# KiCad board Leopold Replacement.kicad_pcb (continued)
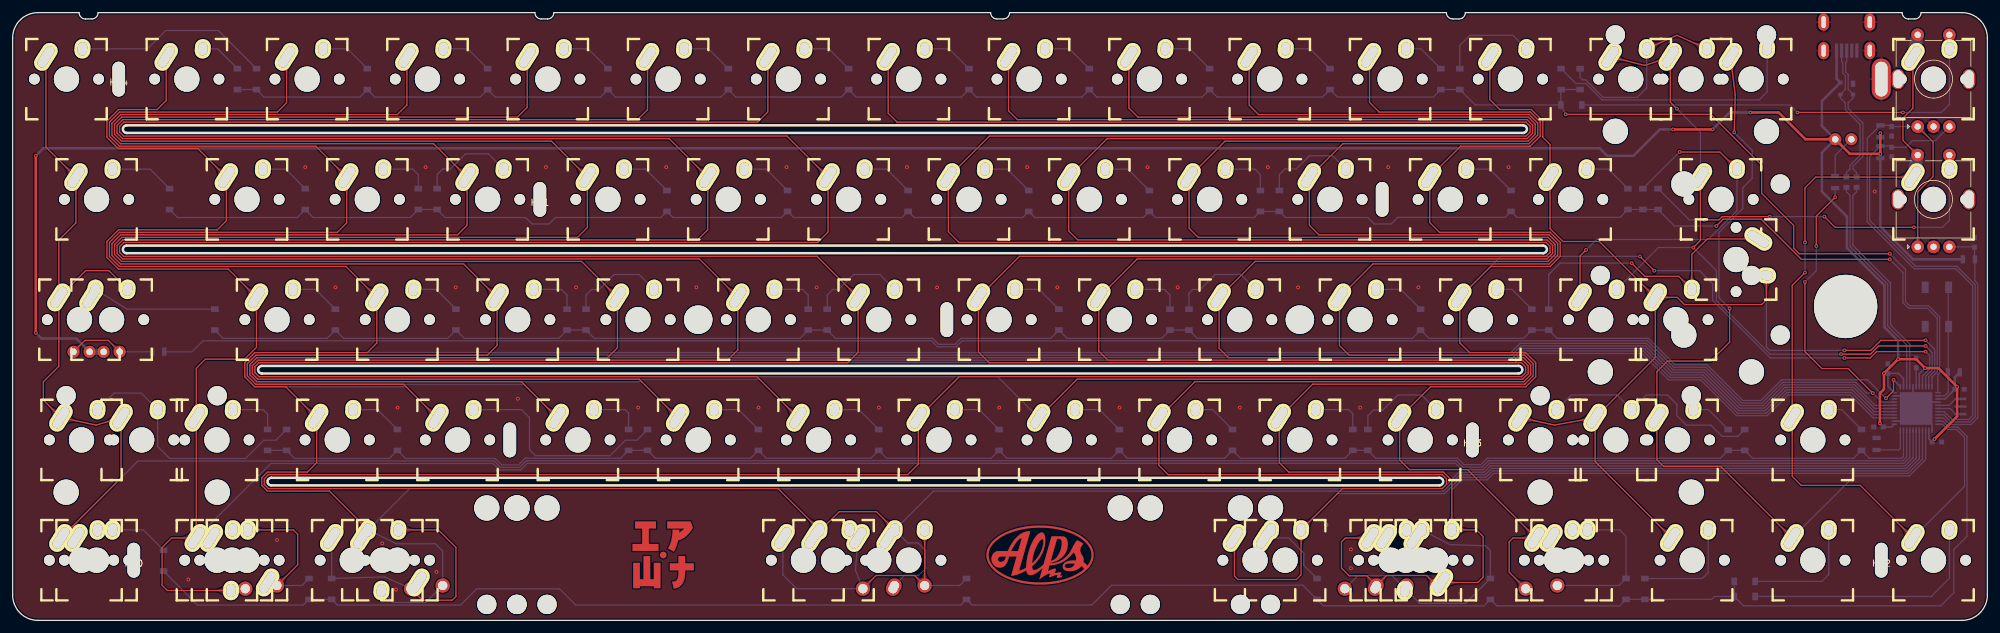
[diagram p0: board, top side]
## Copper pours and planes (outline as drawn; the poured copper is in the pictures) (continued)
Col0 on Top: 9.19,53.08 9.14,53.03 9.08,52.98 9.03,52.93 8.97,52.88 8.92,52.84 8.86,52.79 8.8,52.75 8.75,52.71 8.69,52.67 8.63,52.64 8.57,52.6 8.51,52.57 8.45,52.54 8.39,52.51 8.32,52.49 8.26,52.46 8.2,52.44 8.13,52.42 8.07,52.4 8,52.38 7.94,52.36 7.87,52.35 7.8,52.33 7.73,52.32 7.66,52.31 7.6,52.31 7.53,52.3 7.45,52.3 7.38,52.3 7.31,52.3 6.86,50.6 8.55,51.06 8.55,51.13 8.55,51.2 8.55,51.27 8.56,51.34 8.57,51.41 8.58,51.48 8.59,51.55 8.6,51.62 8.61,51.68 8.63,51.75 8.65,51.81 8.67,51.88 8.69,51.94 8.71,52.01 8.74,52.07 8.77,52.13 8.8,52.19 8.83,52.26 8.86,52.32 8.89,52.38 8.93,52.43 8.97,52.49 9.01,52.55 9.05,52.61 9.09,52.66 9.13,52.72 9.18,52.78 9.23,52.83 9.28,52.88 9.33,52.94
Col0 on Top: 7.2,53.82 7.2,53.75 7.2,53.67 7.19,53.6 7.18,53.53 7.18,53.46 7.17,53.39 7.16,53.32 7.14,53.25 7.13,53.18 7.11,53.11 7.09,53.05 7.07,52.98 7.05,52.92 7.03,52.85 7,52.79 6.98,52.73 6.95,52.66 6.92,52.6 6.89,52.54 6.85,52.48 6.82,52.43 6.78,52.37 6.74,52.31 6.7,52.26 6.66,52.2 6.62,52.15 6.57,52.09 6.52,52.04 6.47,51.99 6.42,51.94 7.3,50.42 8.17,51.94 8.12,51.99 8.07,52.04 8.03,52.09 7.98,52.15 7.94,52.2 7.89,52.26 7.85,52.31 7.82,52.37 7.78,52.43 7.74,52.48 7.71,52.54 7.68,52.6 7.65,52.66 7.62,52.73 7.59,52.79 7.57,52.85 7.54,52.92 7.52,52.98 7.5,53.05 7.48,53.11 7.47,53.18 7.45,53.25 7.44,53.32 7.43,53.39 7.42,53.46 7.41,53.53 7.41,53.6 7.4,53.67 7.4,53.75 7.4,53.82
Col0 on Top: 10.1,67.28 10.1,67.35 10.11,67.43 10.11,67.5 10.12,67.57 10.12,67.64 10.13,67.71 10.14,67.78 10.16,67.85 10.17,67.92 10.19,67.99 10.21,68.05 10.23,68.12 10.25,68.18 10.27,68.25 10.3,68.31 10.32,68.37 10.35,68.44 10.38,68.5 10.41,68.56 10.45,68.62 10.48,68.67 10.52,68.73 10.56,68.79 10.6,68.84 10.64,68.9 10.68,68.95 10.73,69.01 10.78,69.06 10.83,69.11 10.88,69.16 10,70.68 9.13,69.16 9.18,69.11 9.23,69.06 9.27,69.01 9.32,68.95 9.36,68.9 9.41,68.84 9.45,68.79 9.49,68.73 9.52,68.67 9.56,68.62 9.59,68.56 9.62,68.5 9.65,68.44 9.68,68.37 9.71,68.31 9.73,68.25 9.76,68.18 9.78,68.12 9.8,68.05 9.82,67.99 9.83,67.92 9.85,67.85 9.86,67.78 9.87,67.71 9.88,67.64 9.89,67.57 9.89,67.5 9.9,67.43 9.9,67.35 9.9,67.28
Col0 on Top: 5.35,86.29 5.35,86.36 5.35,86.44 5.36,86.51 5.36,86.58 5.37,86.65 5.38,86.72 5.39,86.79 5.41,86.86 5.42,86.93 5.44,87 5.45,87.06 5.47,87.13 5.5,87.19 5.52,87.26 5.54,87.32 5.57,87.38 5.6,87.45 5.63,87.51 5.66,87.57 5.69,87.63 5.73,87.68 5.77,87.74 5.81,87.8 5.85,87.85 5.89,87.91 5.93,87.96 5.98,88.02 6.03,88.07 6.07,88.12 6.12,88.17 5.25,89.69 4.38,88.17 4.43,88.12 4.47,88.07 4.52,88.02 4.57,87.96 4.61,87.91 4.65,87.85 4.69,87.8 4.73,87.74 4.77,87.68 4.81,87.63 4.84,87.57 4.87,87.51 4.9,87.45 4.93,87.38 4.96,87.32 4.98,87.26 5,87.19 5.03,87.13 5.05,87.06 5.06,87 5.08,86.93 5.09,86.86 5.11,86.79 5.12,86.72 5.13,86.65 5.14,86.58 5.14,86.51 5.15,86.44 5.15,86.36 5.15,86.29
Col0 on Top: 7.97,71.95 8.02,71.89 8.07,71.84 8.12,71.79 8.17,71.73 8.21,71.67 8.25,71.62 8.3,71.56 8.34,71.5 8.37,71.44 8.41,71.39 8.44,71.33 8.48,71.27 8.51,71.2 8.53,71.14 8.56,71.08 8.59,71.02 8.61,70.95 8.63,70.89 8.65,70.82 8.67,70.76 8.69,70.69 8.7,70.63 8.71,70.56 8.72,70.49 8.73,70.42 8.74,70.35 8.75,70.28 8.75,70.21 8.75,70.14 8.75,70.07 10.44,69.61 9.99,71.31 9.92,71.31 9.85,71.31 9.78,71.31 9.71,71.32 9.64,71.32 9.57,71.33 9.5,71.34 9.43,71.36 9.37,71.37 9.3,71.39 9.23,71.41 9.17,71.43 9.1,71.45 9.04,71.47 8.98,71.5 8.92,71.52 8.85,71.55 8.79,71.58 8.73,71.61 8.67,71.65 8.61,71.68 8.55,71.72 8.5,71.76 8.44,71.8 8.38,71.85 8.33,71.89 8.27,71.94 8.22,71.99 8.16,72.04 8.11,72.09
Col0 on Bottom: 9.52,15.06 9.47,15.01 9.41,14.96 9.36,14.91 9.3,14.86 9.25,14.82 9.19,14.77 9.13,14.73 9.07,14.69 9.02,14.65 8.96,14.62 8.9,14.58 8.84,14.55 8.78,14.52 8.71,14.49 8.65,14.47 8.59,14.44 8.52,14.42 8.46,14.4 8.4,14.38 8.33,14.36 8.26,14.34 8.2,14.33 8.13,14.31 8.06,14.3 7.99,14.29 7.92,14.29 7.85,14.28 7.78,14.28 7.71,14.28 7.64,14.28 7.18,12.58 8.88,13.04 8.88,13.11 8.88,13.18 8.88,13.25 8.89,13.32 8.89,13.39 8.9,13.46 8.91,13.53 8.93,13.6 8.94,13.66 8.96,13.73 8.98,13.79 9,13.86 9.02,13.92 9.04,13.99 9.07,14.05 9.09,14.11 9.12,14.17 9.15,14.24 9.19,14.3 9.22,14.36 9.26,14.41 9.29,14.47 9.33,14.53 9.37,14.59 9.42,14.64 9.46,14.7 9.51,14.76 9.56,14.81 9.61,14.86 9.66,14.92
Col1 on Top: 38.62,48.27 38.62,48.34 38.62,48.42 38.63,48.49 38.63,48.56 38.64,48.63 38.65,48.7 38.66,48.77 38.67,48.84 38.69,48.91 38.7,48.98 38.72,49.04 38.74,49.11 38.76,49.17 38.79,49.24 38.81,49.3 38.84,49.36 38.87,49.43 38.9,49.49 38.93,49.55 38.96,49.61 39,49.66 39.03,49.72 39.07,49.78 39.11,49.83 39.16,49.89 39.2,49.94 39.25,50 39.29,50.05 39.34,50.1 39.39,50.15 38.52,51.67 37.64,50.15 37.69,50.1 37.74,50.05 37.79,50 37.84,49.94 37.88,49.89 37.92,49.83 37.96,49.78 38,49.72 38.04,49.66 38.07,49.61 38.11,49.55 38.14,49.49 38.17,49.43 38.2,49.36 38.22,49.3 38.25,49.24 38.27,49.17 38.29,49.11 38.31,49.04 38.33,48.98 38.35,48.91 38.36,48.84 38.38,48.77 38.39,48.7 38.4,48.63 38.4,48.56 38.41,48.49 38.41,48.42 38.42,48.34 38.42,48.27
Col1 on Top: 28.91,34.81 28.91,34.74 28.91,34.66 28.9,34.59 28.9,34.52 28.89,34.45 28.88,34.38 28.87,34.31 28.86,34.24 28.84,34.17 28.83,34.1 28.81,34.04 28.79,33.97 28.77,33.91 28.74,33.84 28.72,33.78 28.69,33.72 28.66,33.65 28.63,33.59 28.6,33.53 28.57,33.47 28.53,33.42 28.5,33.36 28.46,33.3 28.42,33.25 28.37,33.19 28.33,33.14 28.28,33.08 28.24,33.03 28.19,32.98 28.14,32.93 29.01,31.41 29.89,32.93 29.84,32.98 29.79,33.03 29.74,33.08 29.69,33.14 29.65,33.19 29.61,33.25 29.57,33.3 29.53,33.36 29.49,33.42 29.46,33.47 29.42,33.53 29.39,33.59 29.36,33.65 29.33,33.72 29.31,33.78 29.28,33.84 29.26,33.91 29.24,33.97 29.22,34.04 29.2,34.1 29.18,34.17 29.17,34.24 29.15,34.31 29.14,34.38 29.13,34.45 29.13,34.52 29.12,34.59 29.12,34.66 29.11,34.74 29.11,34.81
Col1 on Top: 36.48,52.94 36.54,52.88 36.59,52.83 36.63,52.78 36.68,52.72 36.73,52.66 36.77,52.61 36.81,52.55 36.85,52.49 36.89,52.43 36.92,52.38 36.96,52.32 36.99,52.26 37.02,52.19 37.05,52.13 37.08,52.07 37.1,52.01 37.13,51.94 37.15,51.88 37.17,51.81 37.19,51.75 37.2,51.68 37.22,51.62 37.23,51.55 37.24,51.48 37.25,51.41 37.26,51.34 37.26,51.27 37.27,51.2 37.27,51.13 37.27,51.06 38.96,50.6 38.51,52.3 38.43,52.3 38.36,52.3 38.29,52.3 38.22,52.31 38.15,52.31 38.08,52.32 38.01,52.33 37.95,52.35 37.88,52.36 37.81,52.38 37.75,52.4 37.68,52.42 37.62,52.44 37.56,52.46 37.49,52.49 37.43,52.51 37.37,52.54 37.31,52.57 37.25,52.6 37.19,52.64 37.13,52.67 37.07,52.71 37.01,52.75 36.95,52.79 36.9,52.84 36.84,52.88 36.79,52.93 36.73,52.98 36.68,53.03 36.63,53.08
Col1 on Top: 33.87,67.28 33.87,67.35 33.87,67.43 33.87,67.5 33.88,67.57 33.89,67.64 33.9,67.71 33.91,67.78 33.92,67.85 33.93,67.92 33.95,67.99 33.97,68.05 33.99,68.12 34.01,68.18 34.03,68.25 34.06,68.31 34.09,68.37 34.11,68.44 34.14,68.5 34.18,68.56 34.21,68.62 34.24,68.67 34.28,68.73 34.32,68.79 34.36,68.84 34.4,68.9 34.45,68.95 34.49,69.01 34.54,69.06 34.59,69.11 34.64,69.16 33.77,70.68 32.89,69.16 32.94,69.11 32.99,69.06 33.04,69.01 33.08,68.95 33.13,68.9 33.17,68.84 33.21,68.79 33.25,68.73 33.29,68.67 33.32,68.62 33.35,68.56 33.39,68.5 33.42,68.44 33.44,68.37 33.47,68.31 33.5,68.25 33.52,68.18 33.54,68.12 33.56,68.05 33.58,67.99 33.6,67.92 33.61,67.85 33.62,67.78 33.63,67.71 33.64,67.64 33.65,67.57 33.66,67.5 33.66,67.43 33.66,67.35 33.66,67.28
Col1 on Top: 31.73,71.95 31.78,71.89 31.83,71.84 31.88,71.79 31.93,71.73 31.97,71.67 32.02,71.62 32.06,71.56 32.1,71.5 32.14,71.44 32.17,71.39 32.21,71.33 32.24,71.27 32.27,71.2 32.3,71.14 32.32,71.08 32.35,71.02 32.37,70.95 32.39,70.89 32.41,70.82 32.43,70.76 32.45,70.69 32.46,70.63 32.48,70.56 32.49,70.49 32.5,70.42 32.5,70.35 32.51,70.28 32.51,70.21 32.51,70.14 32.52,70.07 34.21,69.61 33.75,71.31 33.68,71.31 33.61,71.31 33.54,71.31 33.47,71.32 33.4,71.32 33.33,71.33 33.26,71.34 33.19,71.36 33.13,71.37 33.06,71.39 33,71.41 32.93,71.43 32.87,71.45 32.8,71.47 32.74,71.5 32.68,71.52 32.62,71.55 32.55,71.58 32.49,71.61 32.43,71.65 32.38,71.68 32.32,71.72 32.26,71.76 32.2,71.8 32.15,71.85 32.09,71.89 32.03,71.94 31.98,71.99 31.93,72.04 31.87,72.09
Col1 on Top: 24.36,86.29 24.36,86.36 24.36,86.44 24.37,86.51 24.37,86.58 24.38,86.65 24.39,86.72 24.4,86.79 24.42,86.86 24.43,86.93 24.45,87 24.46,87.06 24.48,87.13 24.51,87.19 24.53,87.26 24.55,87.32 24.58,87.38 24.61,87.45 24.64,87.51 24.67,87.57 24.7,87.63 24.74,87.68 24.78,87.74 24.82,87.8 24.86,87.85 24.9,87.91 24.94,87.96 24.99,88.02 25.04,88.07 25.08,88.12 25.14,88.17 24.26,89.69 23.39,88.17 23.44,88.12 23.48,88.07 23.53,88.02 23.58,87.96 23.62,87.91 23.66,87.85 23.7,87.8 23.74,87.74 23.78,87.68 23.82,87.63 23.85,87.57 23.88,87.51 23.91,87.45 23.94,87.38 23.97,87.32 23.99,87.26 24.01,87.19 24.04,87.13 24.06,87.06 24.07,87 24.09,86.93 24.1,86.86 24.12,86.79 24.13,86.72 24.14,86.65 24.15,86.58 24.15,86.51 24.16,86.44 24.16,86.36 24.16,86.29
Col1 on Top: 29.11,29.26 29.11,29.33 29.12,29.41 29.12,29.48 29.13,29.55 29.13,29.62 29.14,29.69 29.15,29.76 29.17,29.83 29.18,29.9 29.2,29.97 29.22,30.03 29.24,30.1 29.26,30.16 29.28,30.23 29.31,30.29 29.33,30.35 29.36,30.42 29.39,30.48 29.42,30.54 29.46,30.6 29.49,30.65 29.53,30.71 29.57,30.77 29.61,30.82 29.65,30.88 29.69,30.93 29.74,30.99 29.79,31.04 29.84,31.09 29.89,31.14 29.01,32.66 28.14,31.14 28.19,31.09 28.24,31.04 28.28,30.99 28.33,30.93 28.37,30.88 28.42,30.82 28.46,30.77 28.5,30.71 28.53,30.65 28.57,30.6 28.6,30.54 28.63,30.48 28.66,30.42 28.69,30.35 28.72,30.29 28.74,30.23 28.77,30.16 28.79,30.1 28.81,30.03 28.83,29.97 28.84,29.9 28.86,29.83 28.87,29.76 28.88,29.69 28.89,29.62 28.9,29.55 28.9,29.48 28.91,29.41 28.91,29.33 28.91,29.26
Col1 on Top: 28.91,15.8 28.91,15.73 28.91,15.65 28.9,15.58 28.9,15.51 28.89,15.44 28.88,15.37 28.87,15.3 28.86,15.23 28.84,15.16 28.83,15.09 28.81,15.03 28.79,14.96 28.77,14.9 28.74,14.83 28.72,14.77 28.69,14.71 28.66,14.64 28.63,14.58 28.6,14.52 28.57,14.46 28.53,14.41 28.5,14.35 28.46,14.29 28.42,14.24 28.37,14.18 28.33,14.13 28.28,14.07 28.24,14.02 28.19,13.97 28.14,13.92 29.01,12.4 29.89,13.92 29.84,13.97 29.79,14.02 29.74,14.07 29.69,14.13 29.65,14.18 29.61,14.24 29.57,14.29 29.53,14.35 29.49,14.41 29.46,14.46 29.42,14.52 29.39,14.58 29.36,14.64 29.33,14.71 29.31,14.77 29.28,14.83 29.26,14.9 29.24,14.96 29.22,15.03 29.2,15.09 29.18,15.16 29.17,15.23 29.15,15.3 29.14,15.37 29.13,15.44 29.13,15.51 29.12,15.58 29.12,15.65 29.11,15.73 29.11,15.8
Col1 on Top: 31.72,4.62 31.8,4.61 31.87,4.61 31.94,4.61 32.02,4.6 32.09,4.59 32.16,4.58 32.23,4.57 32.3,4.56 32.37,4.55 32.43,4.53 32.5,4.51 32.56,4.49 32.63,4.47 32.69,4.45 32.76,4.42 32.82,4.39 32.88,4.37 32.94,4.34 33,4.3 33.06,4.27 33.12,4.24 33.18,4.2 33.23,4.16 33.29,4.12 33.34,4.08 33.4,4.03 33.45,3.99 33.5,3.94 33.56,3.89 33.61,3.84 35.12,4.72 33.61,5.59 33.56,5.54 33.5,5.49 33.45,5.44 33.4,5.4 33.34,5.35 33.29,5.31 33.23,5.27 33.18,5.23 33.12,5.2 33.06,5.16 33,5.13 32.94,5.09 32.88,5.06 32.82,5.04 32.76,5.01 32.69,4.98 32.63,4.96 32.56,4.94 32.5,4.92 32.43,4.9 32.37,4.89 32.3,4.87 32.23,4.86 32.16,4.85 32.09,4.84 32.02,4.83 31.94,4.82 31.87,4.82 31.8,4.82 31.72,4.82
Col1 on Top: 26.24,12.93 26.31,12.92 26.38,12.92 26.46,12.92 26.53,12.91 26.6,12.9 26.67,12.89 26.74,12.88 26.81,12.87 26.88,12.86 26.95,12.84 27.01,12.82 27.08,12.8 27.14,12.78 27.21,12.76 27.27,12.73 27.33,12.7 27.39,12.68 27.45,12.65 27.51,12.61 27.57,12.58 27.63,12.55 27.69,12.51 27.75,12.47 27.8,12.43 27.86,12.39 27.91,12.34 27.96,12.3 28.02,12.25 28.07,12.2 28.12,12.15 29.64,13.03 28.12,13.9 28.07,13.85 28.02,13.8 27.96,13.75 27.91,13.71 27.86,13.66 27.8,13.62 27.75,13.58 27.69,13.54 27.63,13.51 27.57,13.47 27.51,13.44 27.45,13.4 27.39,13.37 27.33,13.35 27.27,13.32 27.21,13.29 27.14,13.27 27.08,13.25 27.01,13.23 26.95,13.21 26.88,13.2 26.81,13.18 26.74,13.17 26.67,13.16 26.6,13.15 26.53,13.14 26.46,13.13 26.38,13.13 26.31,13.13 26.24,13.13
Col1 on Bottom: 30.9,15.06 30.85,15.01 30.8,14.96 30.74,14.91 30.69,14.86 30.63,14.82 30.58,14.77 30.52,14.73 30.46,14.69 30.4,14.65 30.34,14.62 30.28,14.58 30.22,14.55 30.16,14.52 30.1,14.49 30.04,14.47 29.97,14.44 29.91,14.42 29.85,14.4 29.78,14.38 29.72,14.36 29.65,14.34 29.58,14.33 29.52,14.31 29.45,14.3 29.38,14.29 29.31,14.29 29.24,14.28 29.17,14.28 29.1,14.28 29.02,14.28 28.57,12.58 30.26,13.04 30.26,13.11 30.26,13.18 30.27,13.25 30.27,13.32 30.28,13.39 30.29,13.46 30.3,13.53 30.31,13.6 30.33,13.66 30.34,13.73 30.36,13.79 30.38,13.86 30.4,13.92 30.43,13.99 30.45,14.05 30.48,14.11 30.51,14.17 30.54,14.24 30.57,14.3 30.61,14.36 30.64,14.41 30.68,14.47 30.72,14.53 30.76,14.59 30.8,14.64 30.85,14.7 30.9,14.76 30.94,14.81 30.99,14.86 31.05,14.92
Col2 on Top: 54.14,16.19 54.19,16.13 54.24,16.08 54.29,16.03 54.34,15.97 54.38,15.91 54.43,15.86 54.47,15.8 54.51,15.74 54.54,15.68 54.58,15.63 54.61,15.57 54.65,15.51 54.68,15.44 54.71,15.38 54.73,15.32 54.76,15.26 54.78,15.19 54.8,15.13 54.82,15.06 54.84,15 54.86,14.93 54.87,14.87 54.88,14.8 54.9,14.73 54.91,14.66 54.91,14.59 54.92,14.52 54.92,14.45 54.92,14.38 54.92,14.31 56.62,13.85 56.16,15.55 56.09,15.55 56.02,15.55 55.95,15.55 55.88,15.56 55.81,15.56 55.74,15.57 55.67,15.58 55.6,15.6 55.54,15.61 55.47,15.63 55.4,15.65 55.34,15.67 55.28,15.69 55.21,15.71 55.15,15.74 55.09,15.76 55.02,15.79 54.96,15.82 54.9,15.85 54.84,15.89 54.78,15.92 54.73,15.96 54.67,16 54.61,16.04 54.55,16.09 54.5,16.13 54.44,16.18 54.39,16.23 54.33,16.28 54.28,16.33
Col2 on Top: 48.12,29.26 48.12,29.33 48.13,29.41 48.13,29.48 48.14,29.55 48.14,29.62 48.15,29.69 48.16,29.76 48.18,29.83 48.19,29.9 48.21,29.97 48.23,30.03 48.25,30.1 48.27,30.16 48.29,30.23 48.32,30.29 48.34,30.35 48.37,30.42 48.4,30.48 48.43,30.54 48.47,30.6 48.5,30.65 48.54,30.71 48.58,30.77 48.62,30.82 48.66,30.88 48.7,30.93 48.75,30.99 48.8,31.04 48.85,31.09 48.9,31.14 48.02,32.66 47.15,31.14 47.2,31.09 47.25,31.04 47.29,30.99 47.34,30.93 47.38,30.88 47.43,30.82 47.47,30.77 47.51,30.71 47.54,30.65 47.58,30.6 47.61,30.54 47.64,30.48 47.67,30.42 47.7,30.35 47.73,30.29 47.75,30.23 47.78,30.16 47.8,30.1 47.82,30.03 47.84,29.97 47.85,29.9 47.87,29.83 47.88,29.76 47.89,29.69 47.9,29.62 47.91,29.55 47.91,29.48 47.92,29.41 47.92,29.33 47.92,29.26
Col2 on Top: 45.99,33.93 46.04,33.87 46.09,33.82 46.14,33.77 46.19,33.71 46.23,33.65 46.27,33.6 46.32,33.54 46.36,33.48 46.39,33.42 46.43,33.37 46.46,33.31 46.5,33.25 46.53,33.18 46.55,33.12 46.58,33.06 46.61,33 46.63,32.93 46.65,32.87 46.67,32.8 46.69,32.74 46.71,32.67 46.72,32.61 46.73,32.54 46.74,32.47 46.75,32.4 46.76,32.33 46.77,32.26 46.77,32.19 46.77,32.12 46.77,32.05 48.46,31.59 48.01,33.29 47.94,33.29 47.87,33.29 47.8,33.29 47.73,33.3 47.66,33.3 47.59,33.31 47.52,33.32 47.45,33.34 47.39,33.35 47.32,33.37 47.25,33.39 47.19,33.41 47.12,33.43 47.06,33.45 47,33.48 46.94,33.5 46.87,33.53 46.81,33.56 46.75,33.59 46.69,33.63 46.63,33.66 46.57,33.7 46.52,33.74 46.46,33.78 46.4,33.83 46.35,33.87 46.29,33.92 46.24,33.97 46.18,34.02 46.13,34.07
Col2 on Top: 57.63,48.27 57.63,48.34 57.63,48.42 57.64,48.49 57.64,48.56 57.65,48.63 57.66,48.7 57.67,48.77 57.68,48.84 57.7,48.91 57.71,48.98 57.73,49.04 57.75,49.11 57.77,49.17 57.8,49.24 57.82,49.3 57.85,49.36 57.88,49.43 57.91,49.49 57.94,49.55 57.97,49.61 58.01,49.66 58.04,49.72 58.08,49.78 58.12,49.83 58.17,49.89 58.21,49.94 58.26,50 58.3,50.05 58.35,50.1 58.4,50.15 57.53,51.67 56.65,50.15 56.7,50.1 56.75,50.05 56.8,50 56.85,49.94 56.89,49.89 56.93,49.83 56.97,49.78 57.01,49.72 57.05,49.66 57.08,49.61 57.12,49.55 57.15,49.49 57.18,49.43 57.21,49.36 57.23,49.3 57.26,49.24 57.28,49.17 57.3,49.11 57.32,49.04 57.34,48.98 57.36,48.91 57.37,48.84 57.39,48.77 57.4,48.7 57.41,48.63 57.41,48.56 57.42,48.49 57.42,48.42 57.43,48.34 57.43,48.27
Col2 on Top: 55.49,52.94 55.55,52.88 55.6,52.83 55.64,52.78 55.69,52.72 55.74,52.66 55.78,52.61 55.82,52.55 55.86,52.49 55.9,52.43 55.93,52.38 55.97,52.32 56,52.26 56.03,52.19 56.06,52.13 56.09,52.07 56.11,52.01 56.14,51.94 56.16,51.88 56.18,51.81 56.2,51.75 56.21,51.68 56.23,51.62 56.24,51.55 56.25,51.48 56.26,51.41 56.27,51.34 56.27,51.27 56.28,51.2 56.28,51.13 56.28,51.06 57.97,50.6 57.52,52.3 57.44,52.3 57.37,52.3 57.3,52.3 57.23,52.31 57.16,52.31 57.09,52.32 57.02,52.33 56.96,52.35 56.89,52.36 56.82,52.38 56.76,52.4 56.69,52.42 56.63,52.44 56.57,52.46 56.5,52.49 56.44,52.51 56.38,52.54 56.32,52.57 56.26,52.6 56.2,52.64 56.14,52.67 56.08,52.71 56.02,52.75 55.96,52.79 55.91,52.84 55.85,52.88 55.8,52.93 55.74,52.98 55.69,53.03 55.64,53.08
Col2 on Top: 52.88,67.28 52.88,67.35 52.88,67.43 52.88,67.5 52.89,67.57 52.9,67.64 52.91,67.71 52.92,67.78 52.93,67.85 52.94,67.92 52.96,67.99 52.98,68.05 53,68.12 53.02,68.18 53.04,68.25 53.07,68.31 53.1,68.37 53.12,68.44 53.15,68.5 53.19,68.56 53.22,68.62 53.25,68.67 53.29,68.73 53.33,68.79 53.37,68.84 53.41,68.9 53.46,68.95 53.5,69.01 53.55,69.06 53.6,69.11 53.65,69.16 52.77,70.68 51.9,69.16 51.95,69.11 52,69.06 52.05,69.01 52.09,68.95 52.14,68.9 52.18,68.84 52.22,68.79 52.26,68.73 52.3,68.67 52.33,68.62 52.36,68.56 52.4,68.5 52.43,68.44 52.45,68.37 52.48,68.31 52.51,68.25 52.53,68.18 52.55,68.12 52.57,68.05 52.59,67.99 52.61,67.92 52.62,67.85 52.63,67.78 52.64,67.71 52.65,67.64 52.66,67.57 52.67,67.5 52.67,67.43 52.67,67.35 52.67,67.28
Col2 on Top: 50.74,71.95 50.79,71.89 50.84,71.84 50.89,71.79 50.94,71.73 50.98,71.67 51.03,71.62 51.07,71.56 51.11,71.5 51.15,71.44 51.18,71.39 51.22,71.33 51.25,71.27 51.28,71.2 51.31,71.14 51.33,71.08 51.36,71.02 51.38,70.95 51.4,70.89 51.42,70.82 51.44,70.76 51.46,70.69 51.47,70.63 51.49,70.56 51.5,70.49 51.51,70.42 51.51,70.35 51.52,70.28 51.52,70.21 51.52,70.14 51.53,70.07 53.22,69.61 52.76,71.31 52.69,71.31 52.62,71.31 52.55,71.31 52.48,71.32 52.41,71.32 52.34,71.33 52.27,71.34 52.2,71.36 52.14,71.37 52.07,71.39 52.01,71.41 51.94,71.43 51.88,71.45 51.81,71.47 51.75,71.5 51.69,71.52 51.63,71.55 51.56,71.58 51.5,71.61 51.44,71.65 51.39,71.68 51.33,71.72 51.27,71.76 51.21,71.8 51.16,71.85 51.1,71.89 51.04,71.94 50.99,71.99 50.94,72.04 50.88,72.09
Col2 on Top: 43.37,86.29 43.37,86.36 43.37,86.44 43.38,86.51 43.38,86.58 43.39,86.65 43.4,86.72 43.41,86.79 43.43,86.86 43.44,86.93 43.46,87 43.47,87.06 43.49,87.13 43.52,87.19 43.54,87.26 43.56,87.32 43.59,87.38 43.62,87.45 43.65,87.51 43.68,87.57 43.71,87.63 43.75,87.68 43.79,87.74 43.83,87.8 43.87,87.85 43.91,87.91 43.95,87.96 44,88.02 44.05,88.07 44.09,88.12 44.15,88.17 43.27,89.69 42.4,88.17 42.45,88.12 42.49,88.07 42.54,88.02 42.59,87.96 42.63,87.91 42.67,87.85 42.71,87.8 42.75,87.74 42.79,87.68 42.83,87.63 42.86,87.57 42.89,87.51 42.92,87.45 42.95,87.38 42.98,87.32 43,87.26 43.02,87.19 43.05,87.13 43.07,87.06 43.08,87 43.1,86.93 43.11,86.86 43.13,86.79 43.14,86.72 43.15,86.65 43.16,86.58 43.16,86.51 43.17,86.44 43.17,86.36 43.17,86.29
Col2 on Bottom: 58.07,16.33 58.01,16.28 57.96,16.23 57.9,16.18 57.85,16.13 57.79,16.09 57.74,16.04 57.68,16 57.62,15.96 57.56,15.92 57.5,15.89 57.44,15.85 57.38,15.82 57.32,15.79 57.26,15.76 57.2,15.74 57.14,15.71 57.07,15.69 57.01,15.67 56.94,15.65 56.88,15.63 56.81,15.61 56.74,15.6 56.68,15.58 56.61,15.57 56.54,15.56 56.47,15.56 56.4,15.55 56.33,15.55 56.26,15.55 56.19,15.55 55.73,13.85 57.42,14.31 57.42,14.38 57.43,14.45 57.43,14.52 57.44,14.59 57.44,14.66 57.45,14.73 57.46,14.8 57.48,14.87 57.49,14.93 57.51,15 57.52,15.06 57.54,15.13 57.57,15.19 57.59,15.26 57.61,15.32 57.64,15.38 57.67,15.44 57.7,15.51 57.73,15.57 57.77,15.63 57.8,15.68 57.84,15.74 57.88,15.8 57.92,15.86 57.97,15.91 58.01,15.97 58.06,16.03 58.11,16.08 58.16,16.13 58.21,16.19
Col2 on Bottom: 58.71,13.16 58.64,13.19 58.58,13.22 58.51,13.26 58.45,13.3 58.39,13.34 58.33,13.38 58.27,13.42 58.22,13.46 58.16,13.5 58.11,13.55 58.06,13.59 58.01,13.64 57.96,13.69 57.91,13.74 57.87,13.79 57.82,13.84 57.78,13.89 57.74,13.94 57.7,14 57.66,14.06 57.62,14.11 57.59,14.17 57.56,14.23 57.52,14.29 57.49,14.36 57.46,14.42 57.44,14.48 57.41,14.55 57.38,14.62 57.36,14.68 55.61,14.57 56.59,13.12 56.65,13.14 56.72,13.16 56.79,13.18 56.86,13.2 56.93,13.21 57,13.22 57.06,13.24 57.13,13.25 57.2,13.25 57.27,13.26 57.34,13.26 57.4,13.27 57.47,13.27 57.54,13.26 57.61,13.26 57.67,13.25 57.74,13.25 57.81,13.24 57.88,13.23 57.94,13.21 58.01,13.2 58.08,13.18 58.15,13.16 58.21,13.14 58.28,13.12 58.35,13.09 58.42,13.07 58.48,13.04 58.55,13.01 58.62,12.98
Col2 on Bottom: 67.83,7.98 67.83,7.91 67.83,7.85 67.83,7.78 67.82,7.72 67.82,7.66 67.81,7.59 67.8,7.53 67.79,7.47 67.77,7.41 67.76,7.35 67.74,7.29 67.72,7.23 67.71,7.18 67.69,7.12 67.66,7.06 67.64,7.01 67.61,6.95 67.59,6.9 67.56,6.85 67.53,6.79 67.5,6.74 67.47,6.69 67.43,6.64 67.39,6.59 67.36,6.54 67.32,6.49 67.28,6.45 67.24,6.4 67.19,6.35 67.15,6.31 67.93,4.94 68.72,6.31 68.68,6.35 68.63,6.4 68.59,6.45 68.55,6.49 68.51,6.54 68.47,6.59 68.44,6.64 68.4,6.69 68.37,6.74 68.34,6.79 68.31,6.85 68.28,6.9 68.26,6.95 68.23,7.01 68.21,7.06 68.18,7.12 68.16,7.18 68.14,7.23 68.13,7.29 68.11,7.35 68.1,7.41 68.08,7.47 68.07,7.53 68.06,7.59 68.05,7.66 68.05,7.72 68.04,7.78 68.04,7.85 68.04,7.91 68.03,7.98
Col2 on Bottom: 66.26,3.68 66.3,3.73 66.35,3.78 66.4,3.82 66.45,3.86 66.5,3.9 66.55,3.94 66.6,3.97 66.65,4.01 66.7,4.04 66.75,4.08 66.81,4.11 66.86,4.13 66.92,4.16 66.97,4.19 67.03,4.21 67.08,4.23 67.14,4.25 67.19,4.27 67.25,4.29 67.31,4.31 67.37,4.32 67.43,4.33 67.49,4.35 67.55,4.36 67.61,4.36 67.67,4.37 67.73,4.38 67.8,4.38 67.86,4.38 67.92,4.38 68.33,5.9 66.81,5.49 66.81,5.43 66.81,5.37 66.8,5.3 66.8,5.24 66.79,5.18 66.79,5.12 66.78,5.06 66.76,5 66.75,4.94 66.74,4.88 66.72,4.82 66.7,4.77 66.68,4.71 66.66,4.65 66.64,4.6 66.62,4.54 66.59,4.49 66.56,4.43 66.54,4.38 66.5,4.32 66.47,4.27 66.44,4.22 66.4,4.17 66.37,4.12 66.33,4.07 66.29,4.02 66.25,3.97 66.21,3.92 66.16,3.87 66.11,3.83
Col2 on Bottom: 60.22,2.89 60.18,2.94 60.13,2.99 60.09,3.04 60.04,3.09 60,3.15 59.96,3.2 59.93,3.25 59.89,3.31 59.86,3.36 59.82,3.42 59.79,3.47 59.76,3.53 59.74,3.59 59.71,3.65 59.69,3.71 59.66,3.77 59.64,3.83 59.62,3.89 59.6,3.96 59.59,4.02 59.57,4.08 59.56,4.15 59.55,4.22 59.54,4.28 59.53,4.35 59.52,4.42 59.52,4.49 59.51,4.56 59.51,4.63 59.51,4.7 57.82,5.16 58.27,3.47 58.35,3.47 58.42,3.46 58.49,3.46 58.56,3.46 58.63,3.45 58.69,3.44 58.76,3.43 58.83,3.42 58.89,3.41 58.96,3.39 59.02,3.37 59.09,3.36 59.15,3.34 59.21,3.32 59.27,3.29 59.33,3.27 59.39,3.24 59.45,3.21 59.5,3.18 59.56,3.15 59.62,3.12 59.67,3.09 59.73,3.05 59.78,3.01 59.83,2.97 59.88,2.93 59.93,2.89 59.99,2.85 60.03,2.8 60.08,2.75
Col3 on Top: 65,33.93 65.05,33.87 65.1,33.82 65.15,33.77 65.2,33.71 65.24,33.65 65.28,33.6 65.33,33.54 65.37,33.48 65.4,33.42 65.44,33.37 65.47,33.31 65.51,33.25 65.54,33.18 65.56,33.12 65.59,33.06 65.62,33 65.64,32.93 65.66,32.87 65.68,32.8 65.7,32.74 65.72,32.67 65.73,32.61 65.74,32.54 65.75,32.47 65.76,32.4 65.77,32.33 65.78,32.26 65.78,32.19 65.78,32.12 65.78,32.05 67.47,31.59 67.02,33.29 66.95,33.29 66.88,33.29 66.81,33.29 66.74,33.3 66.67,33.3 66.6,33.31 66.53,33.32 66.46,33.34 66.4,33.35 66.33,33.37 66.26,33.39 66.2,33.41 66.13,33.43 66.07,33.45 66.01,33.48 65.95,33.5 65.88,33.53 65.82,33.56 65.76,33.59 65.7,33.63 65.64,33.66 65.58,33.7 65.53,33.74 65.47,33.78 65.41,33.83 65.36,33.87 65.3,33.92 65.25,33.97 65.19,34.02 65.14,34.07
Col3 on Top: 76.64,48.27 76.64,48.34 76.64,48.42 76.65,48.49 76.65,48.56 76.66,48.63 76.67,48.7 76.68,48.77 76.69,48.84 76.71,48.91 76.72,48.98 76.74,49.04 76.76,49.11 76.78,49.17 76.81,49.24 76.83,49.3 76.86,49.36 76.89,49.43 76.92,49.49 76.95,49.55 76.98,49.61 77.02,49.66 77.05,49.72 77.09,49.78 77.13,49.83 77.18,49.89 77.22,49.94 77.27,50 77.31,50.05 77.36,50.1 77.41,50.15 76.54,51.67 75.66,50.15 75.71,50.1 75.76,50.05 75.81,50 75.86,49.94 75.9,49.89 75.94,49.83 75.98,49.78 76.02,49.72 76.06,49.66 76.09,49.61 76.13,49.55 76.16,49.49 76.19,49.43 76.22,49.36 76.24,49.3 76.27,49.24 76.29,49.17 76.31,49.11 76.33,49.04 76.35,48.98 76.37,48.91 76.38,48.84 76.4,48.77 76.41,48.7 76.42,48.63 76.42,48.56 76.43,48.49 76.43,48.42 76.44,48.34 76.44,48.27
Col3 on Top: 74.5,52.94 74.56,52.88 74.61,52.83 74.65,52.78 74.7,52.72 74.75,52.66 74.79,52.61 74.83,52.55 74.87,52.49 74.91,52.43 74.94,52.38 74.98,52.32 75.01,52.26 75.04,52.19 75.07,52.13 75.1,52.07 75.12,52.01 75.15,51.94 75.17,51.88 75.19,51.81 75.21,51.75 75.22,51.68 75.24,51.62 75.25,51.55 75.26,51.48 75.27,51.41 75.28,51.34 75.28,51.27 75.29,51.2 75.29,51.13 75.29,51.06 76.98,50.6 76.53,52.3 76.45,52.3 76.38,52.3 76.31,52.3 76.24,52.31 76.17,52.31 76.1,52.32 76.03,52.33 75.97,52.35 75.9,52.36 75.83,52.38 75.77,52.4 75.7,52.42 75.64,52.44 75.58,52.46 75.51,52.49 75.45,52.51 75.39,52.54 75.33,52.57 75.27,52.6 75.21,52.64 75.15,52.67 75.09,52.71 75.03,52.75 74.97,52.79 74.92,52.84 74.86,52.88 74.81,52.93 74.75,52.98 74.7,53.03 74.65,53.08
Col3 on Top: 71.89,67.28 71.89,67.35 71.89,67.43 71.89,67.5 71.9,67.57 71.91,67.64 71.92,67.71 71.93,67.78 71.94,67.85 71.95,67.92 71.97,67.99 71.99,68.05 72.01,68.12 72.03,68.18 72.05,68.25 72.08,68.31 72.11,68.37 72.13,68.44 72.16,68.5 72.2,68.56 72.23,68.62 72.26,68.67 72.3,68.73 72.34,68.79 72.38,68.84 72.42,68.9 72.47,68.95 72.51,69.01 72.56,69.06 72.61,69.11 72.66,69.16 71.78,70.68 70.91,69.16 70.96,69.11 71.01,69.06 71.06,69.01 71.1,68.95 71.15,68.9 71.19,68.84 71.23,68.79 71.27,68.73 71.31,68.67 71.34,68.62 71.37,68.56 71.41,68.5 71.44,68.44 71.46,68.37 71.49,68.31 71.52,68.25 71.54,68.18 71.56,68.12 71.58,68.05 71.6,67.99 71.62,67.92 71.63,67.85 71.64,67.78 71.65,67.71 71.66,67.64 71.67,67.57 71.68,67.5 71.68,67.43 71.68,67.35 71.69,67.28